# Altium PCB Stm32_pcb.PcbDoc
Units mm, origin at the board's own origin, x right, y up, seen from the top; angles counter-clockwise.
Board outline 58.6 x 34.6 mm, 2 copper layers (Top Layer, Bottom Layer); 36 components, 51 nets, 172 pads, 27 vias.
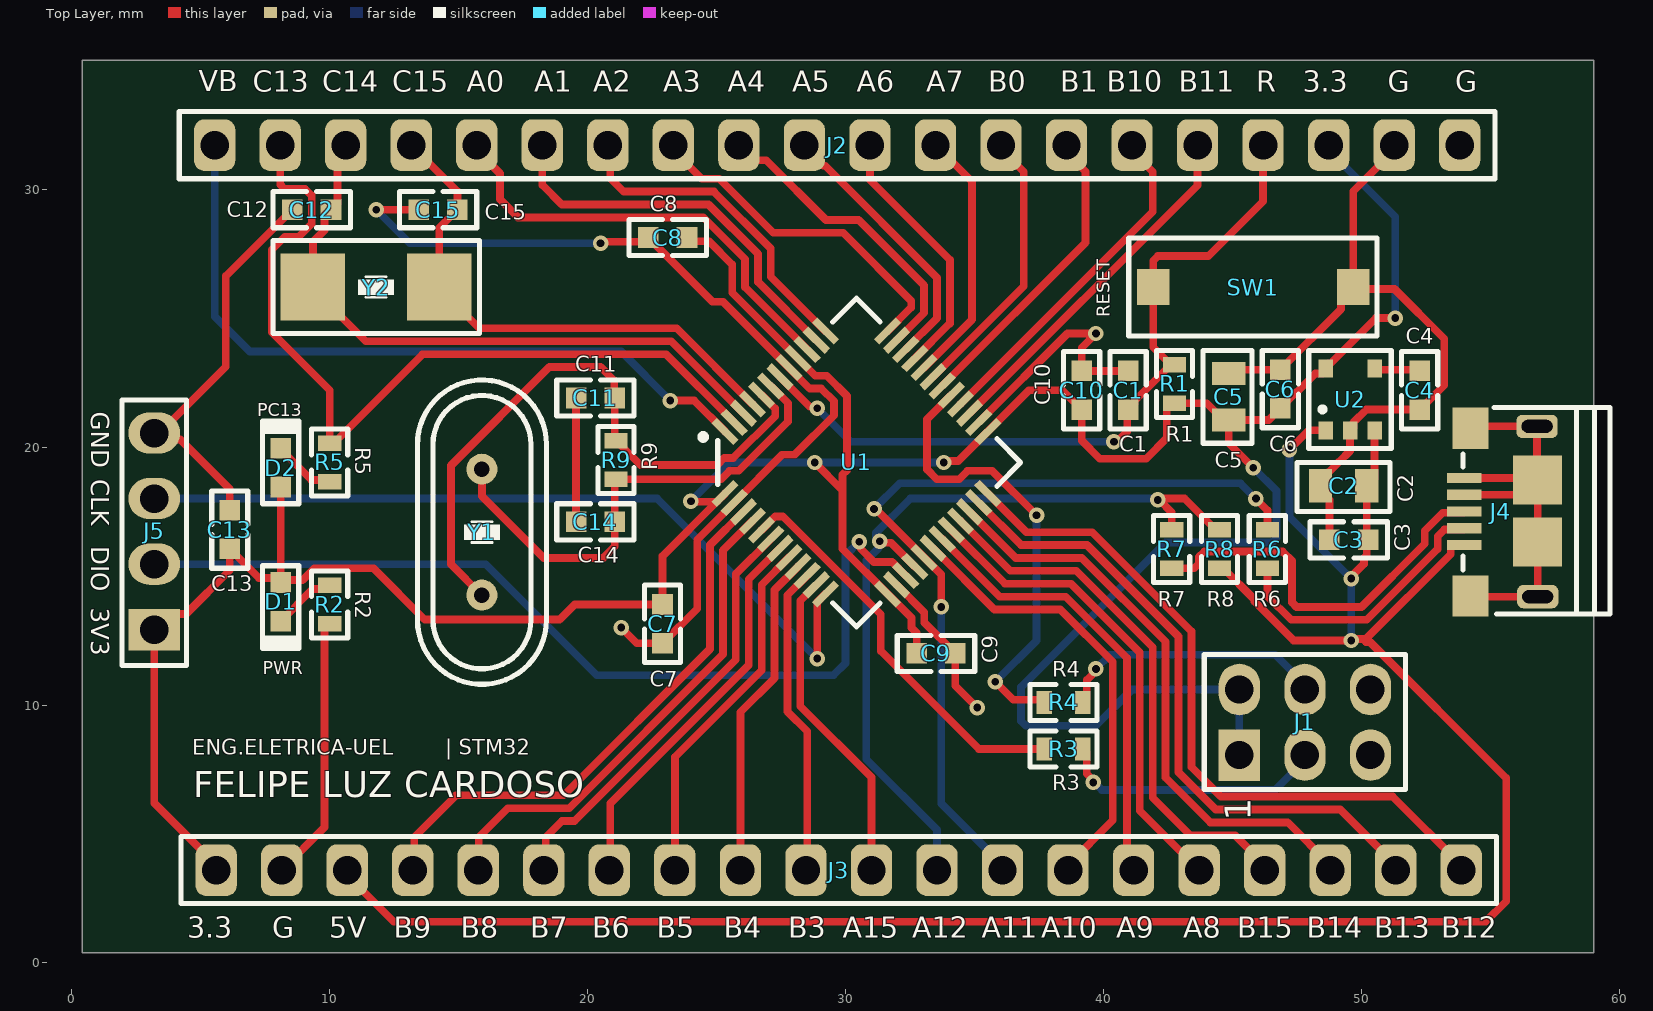
[diagram p0: Top Layer view]
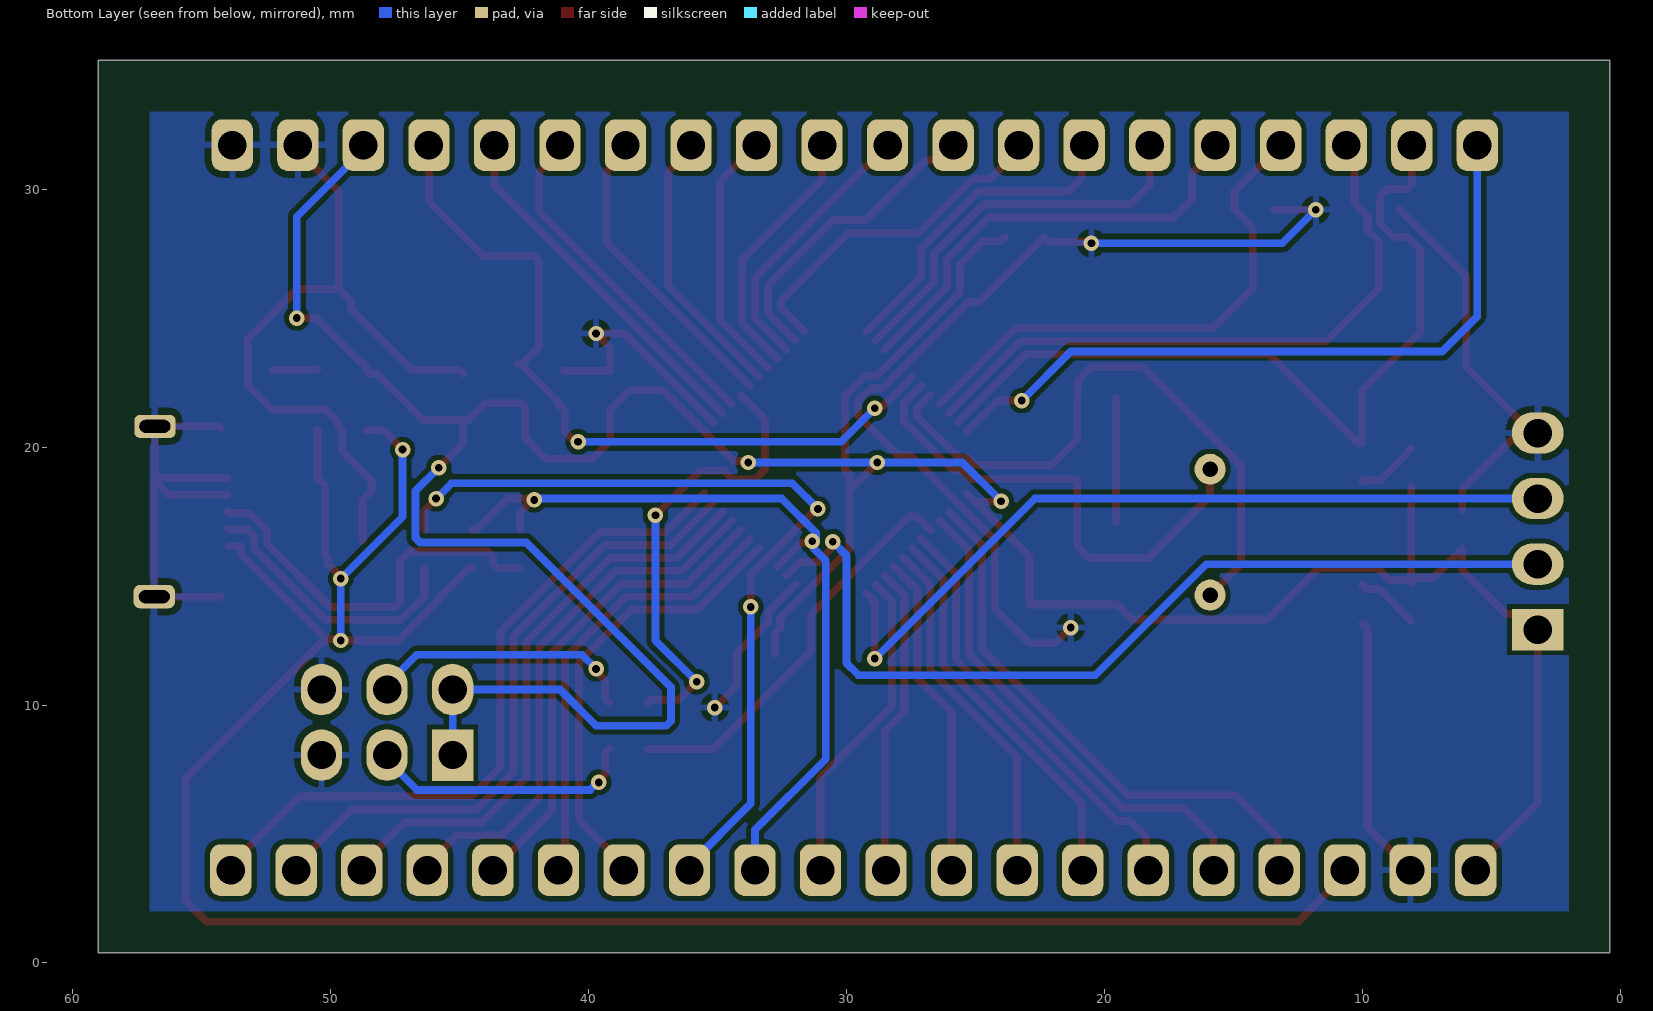
[diagram p1: Bottom Layer view, seen from below]
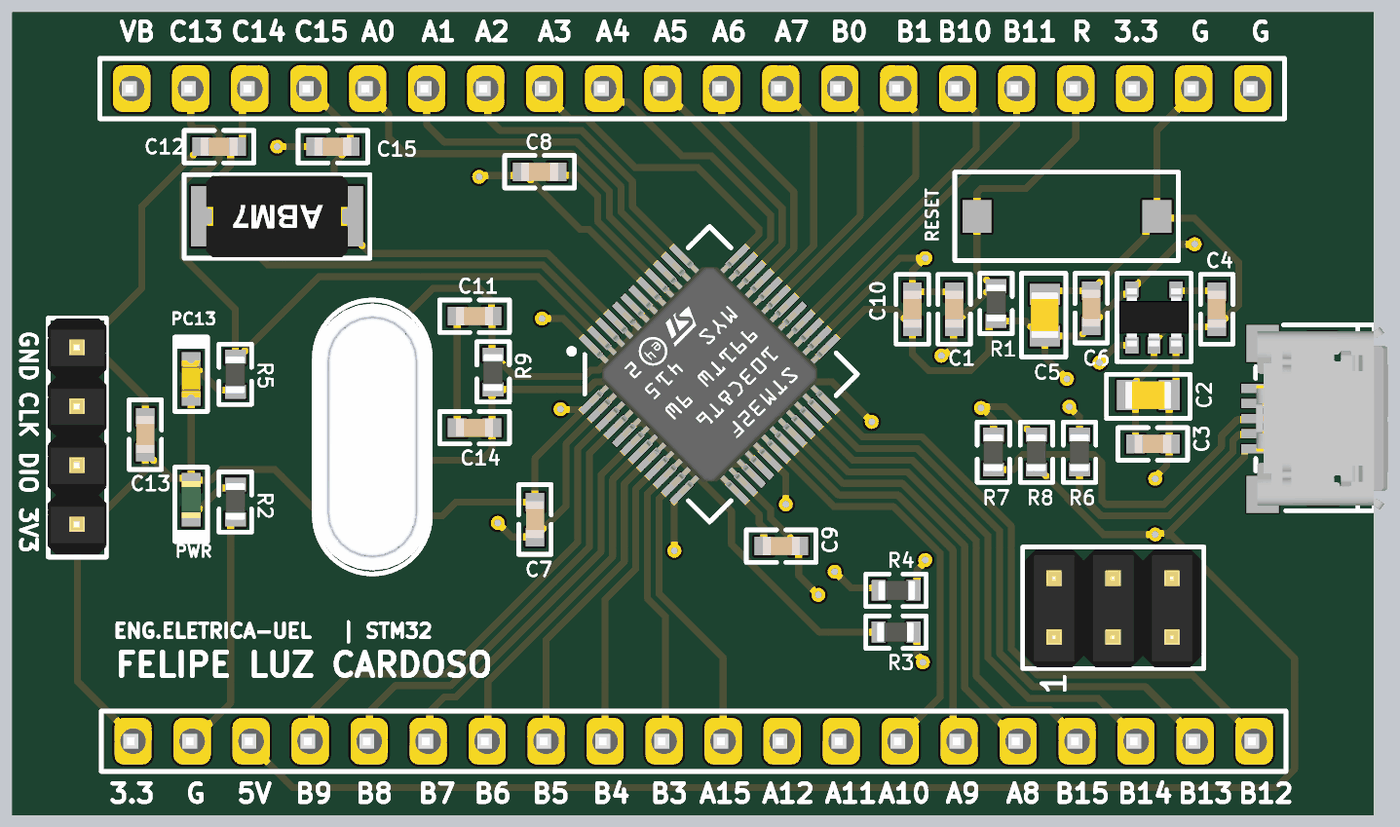
[diagram p2: 3D render of the assembled board from above, using the file's embedded part models]

## Layer stack, top to bottom
Top Solder: solder mask 0.0102, Solder Resist, Dk 3.5
Top Layer: signal copper 0.0356
Dielectric 1: dielectric 0.32, FR-4, Dk 4.8
Bottom Layer: signal copper 0.0356
Bottom Solder: solder mask 0.0102, Solder Resist, Dk 3.5

## Board outline
0.4,0.4 59,0.4 59,35 0.4,35

## Design rules (kind name [scope] priority, off if disabled: settings)
Clearance [All] p1: gap=0.2 ignorepadtopadclearanceinfootprint=FALSE
ComponentClearance [All] p1: gap=0.2 collisioncheckmode=3 verticalgap=0.2 showdistances=FALSE
HoleSize [All] p1: absolutevalues=TRUE maxlimit=10 minlimit=0.2 maxpercent=80.000 minpercent=20.000
HoleToHoleClearance [All] p1: gap=0.3 allowstackedmicrovias=TRUE
MinimumSolderMaskSliver [All] p1: minsoldermaskwidth=0.1
PolygonConnect [All] p1: connectstyle=Relief reliefconductorwidth=0.254 reliefentries=4 polygonreliefangle="90 Angle" airgapwidth=0.254
RoutingVias [All] p1: holewidth=0.3 width=0.6 viastyle="Through Hole" minholewidth=0.3 minwidth=0.6 maxholewidth=0.3 maxwidth=0.6
SilkToSilkClearance [All] p1: silktosilkclearance=0.1
SilkToSolderMaskClearance [IsPad] p1: minsilkscreentomaskgap=0.1 clearancetoexposedcopper=TRUE
SolderMaskExpansion [All] p1: expansion=0.1 istentingtop=FALSE
Width [All] p1: maxlimit=0.3 minlimit=0.3 preferedwidth=0.3
24 further rules are at their usual default settings.

## Components (designator, comment, footprint, x,y, rotation, side; value= is the part's Value field where it differs from the comment)
C1 "100nF" CP-0603 40.948,22.2 r270 top
C2 "10uf / 16V" CP_0805 49.3,18.5 r0 top
C3 "100nF" CP-0603 49.5,16.4 r0 top
C4 "100nF" CP-0603 52.25,22.2 r90 top
C5 "10uf / 16V" CP_0805 44.849,21.946 r270 top
C6 "100nF" CP-0603 46.849,22.246 r270 top
C7 "100nF" CP-0603 22.9,13.145 r90 top
C8 "100nF" CP-0603 23.1,28.12 r0 top
C9 "100nF" CP-0603 33.5,12 r180 top
C10 "100nF" CP-0603 39.148,22.2 r270 top
C11 "20pF" CP-0603 20.3,21.9 r0 top
C12 "20pF" CP-0603 9.3,29.2 r0 top
C13 "100nF" CP-0603 6.126,16.8 r270 top
C14 "20pF" CP-0603 20.3,17.1 r0 top
C15 "20pF" CP-0603 14.2,29.2 r0 top
D1 "PWR" LED_Green 8.1,14 r90 top locked
D2 "PC13" LED_Orange 8.1,19.2 r270 top locked
J1 "HDR_2x3_2,54mm" "Header Male 2x3 2,54mm" 45.26,8.06 r90 top
J2 "HDR_1x20_2,54mm" HDR_1X20_2,54MM 5.54,31.7 r90 top locked
J3 "HDR_1x20_2,54mm" HDR2_1X20_2,54MM 5.6,3.6 r90 top locked
J4 "10118193-0001LF" MICRO-USB 55.4,17.5 r90 top locked
J5 "SWD" "HDR_M 1x4 2.54mm" 3.2,12.92 r180 top
R1 "10K" R-0603 42.749,22.446 r270 top
R2 "510r" R-0603 10,13.9 r270 top
R3 "100K" R-0603 38.446,8.298 r0 top
R4 "100K" R-0603 38.446,10.098 r180 top
R5 "510r" R-0603 10,19.4 r90 top
R6 "20r" R-0603 46.346,16.046 r90 top
R7 "20r" R-0603 42.637,16.046 r90 top
R8 "1,5k" R-0603 44.491,16.046 r90 top
R9 "1M" R-0603 21.1,19.5 r90 top
SW1 "RESET" "Push Button" 45.8,26.2 r180 top
U1 "STM32F103C8T6" STM32F1 30.417,19.4 r315 top locked
U2 "RT9193-33GB" SOT_23_5 49.549,21.846 r90 top
Y1 "8Mhz" CK_8Mhz 15.9,16.7 r270 top locked
Y2 "32.768Khz" CK_32.768KHZ 11.8,26.2 r180 top

## Footprints (in the part's own frame and the unit in brackets; to place one, negate y for a bottom-side part, rotate by r counter-clockwise, add the part's x,y. Pads: shape width x height; smd on the part's side, far side on the other; paste and mask are expansions set on the pad)
CK_8Mhz [mm]
  round 1.2 hole 0.6: 1(-2.44,0) 2(2.44,0)
  silkscreen extent -5.9,-2.5 5.9,2.5, body extent -5.75,-2.5 5.75,2.5, height 3.51
CK_32.768KHZ [mm]
  rect 2.5x2.6 smd: 1(-2.45,0) 2(2.45,0)
  silkscreen extent -4,-1.8 4,1.8, body extent -3.05,-1.75 3.05,1.75, height 1.45
CP-0603 [mm]
  rect 0.8x0.8 smd: 1(-0.75,0) 2(0.75,0)
  silkscreen extent -1.5,-0.7 1.5,0.7, body extent -0.8,-0.4 0.8,0.4, height 0.81
CP_0805 [mm]
  rect 0.9x1.3 smd: 1(-0.9,0) 2(0.9,0)
  silkscreen extent -1.8,-1 1.8,0.9, body extent -1,-0.6 1,0.6, height 0.96
HDR2_1X20_2,54MM [mm]
  rrect50% 2x1.6 hole 1.1: 1(0,0) 2(0,-2.54) 3(0,-5.08) 4(0,-7.62) 5(0,-10.16) 6(0,-12.7) 7(0,-15.24) 8(0,-17.78) 9(0,-20.32) 10(0,-22.86) 11(0,-25.4) 12(0,-27.94) 13(0,-30.48) 14(0,-33.02) 15(0,-35.56) 16(0,-38.1) 17(0,-40.64) 18(0,-43.18) 19(0,-45.72) 20(0,-48.26)
  silkscreen extent -1.3,-49.63 1.3,1.37, body extent -1.27,-49.43 1.27,1.37, height 5.7
HDR_1X20_2,54MM [mm]
  rrect50% 2x1.6 hole 1.1: 1(0,0) 2(0,-2.54) 3(0,-5.08) 4(0,-7.62) 5(0,-10.16) 6(0,-12.7) 7(0,-15.24) 8(0,-17.78) 9(0,-20.32) 10(0,-22.86) 11(0,-25.4) 12(0,-27.94) 13(0,-30.48) 14(0,-33.02) 15(0,-35.56) 16(0,-38.1) 17(0,-40.64) 18(0,-43.18) 19(0,-45.72) 20(0,-48.26)
  silkscreen extent -1.3,-49.63 1.3,1.37, body extent -1.27,-49.43 1.27,1.37, height 5.7
"HDR_M 1x4 2.54mm" [mm]
  rect 2x1.6 hole 1.1: 1(0,0)
  oval 2x1.6 hole 1.1: 2(0,-2.54) 3(0,-5.08) 4(0,-7.62)
  silkscreen extent -1.25,-8.9 1.25,1.39, body extent -1.27,-8.89 1.27,1.27, height 9.21
"Header Male 2x3 2,54mm" [mm]
  rect 2x1.6 hole 1.1: 1(0,0)
  oval 2x1.6 hole 1.1: 2(2.54,0) 3(0,-2.54) 4(2.54,-2.54) 5(0,-5.08) 6(2.54,-5.08)
  silkscreen extent -1.33,-6.44 3.9,1.36, body extent -1.27,-6.35 3.81,1.27, height 9.21
LED_Green [mm]
  rect 0.8x0.8 smd: 1(-0.75,0) 2(0.75,0)
  silkscreen extent -1.8,-0.8 1.4,0.8, body extent -0.8,-0.4 0.8,0.4, height 0.4
LED_Orange [mm]
  rect 0.8x0.8 smd: 1(-0.75,0) 2(0.75,0)
  silkscreen extent -1.8,-0.8 1.4,0.8, body extent -0.8,-0.4 0.8,0.4, height 0.71
MICRO-USB [mm]
  rect 0.4x1.35 smd mask+0.05: 1(-1.3,1.425) 2(-0.65,1.425) 3(0,1.425) 4(0.65,1.425) 5(1.3,1.425)
  rect 1.6x1.4 smd mask+0.05: 6(-3.275,1.175) 7(3.225,1.175)
  rrect50% 0.9x1.6 hole 0.5 slot 1.2 at 90 deg mask+0.05: 8(-3.3,-1.425) 9(3.3,-1.4)
  rect 1.9x1.9 smd mask+0.05: 10(-1.175,-1.425) 11(1.225,-1.425)
  silkscreen extent -3.97,-4.22 4.03,1.48, body extent -3.93,-4.21 3.93,1.45, height 2.87
"Push Button" [mm]
  rect 1.25x1.4 smd: 1(-3.875,0) 2(3.875,0)
  silkscreen extent -4.8,-1.9 4.83,1.9, body extent -3.99,-1.9 4.01,1.8, height 2.51
R-0603 [mm]
  rect 0.6x0.9 smd: 1(-0.75,0) 2(0.75,0)
  silkscreen extent -1.3,-0.7 1.3,0.7, body extent -0.83,-0.42 0.77,0.43, height 0.81
SOT_23_5 [mm]
  rect 0.7x0.56 smd: 1(-1.2,0.95) 2(-1.2,0) 3(-1.2,-0.95) 4(1.2,-0.95) 5(1.2,0.95)
  silkscreen extent -1.9,-1.6 1.9,1.6, body extent -1.25,-1.5 1.25,1.5, height 1.11
STM32F1 [mm]
  rect 1.2x0.3 smd mask+0.03: 1(-4.45,-2.75) 2(-4.45,-2.25) 3(-4.45,-1.75) 4(-4.45,-1.25) 5(-4.45,-0.75) 6(-4.45,-0.25) 7(-4.45,0.25) 8(-4.45,0.75) 9(-4.45,1.25) 10(-4.45,1.75) 11(-4.45,2.25) 12(-4.45,2.75) 25(4.45,2.75) 26(4.45,2.25) 27(4.45,1.75) 28(4.45,1.25) 29(4.45,0.75) 30(4.45,0.25) 31(4.45,-0.25) 32(4.45,-0.75) 33(4.45,-1.25) 34(4.45,-1.75) 35(4.45,-2.25) 36(4.45,-2.75)
  rect 0.3x1.2 smd mask+0.03: 13(-2.75,4.45) 14(-2.25,4.45) 15(-1.75,4.45) 16(-1.25,4.45) 17(-0.75,4.45) 18(-0.25,4.45) 19(0.25,4.45) 20(0.75,4.45) 21(1.25,4.45) 22(1.75,4.45) 23(2.25,4.45) 24(2.75,4.45) 37(2.75,-4.45) 38(2.25,-4.45) 39(1.75,-4.45) 40(1.25,-4.45) 41(0.75,-4.45) 42(0.25,-4.45) 43(-0.25,-4.45) 44(-0.75,-4.45) 45(-1.25,-4.45) 46(-1.75,-4.45) 47(-2.25,-4.45) 48(-2.75,-4.45)
  silkscreen extent -5,-4.5 4.5,4.5, body extent -4.5,-4.5 4.5,4.5, height 1.56

## Part data
C1 C3 C4 C6 C7 C8 C9 C10 C13: library part C-0603_100nF, "Multilayer Ceramic Capacitors (MLCC) - SMD/SMT 50volts 0.1uF X7R 10%", Case Code (Imperial)=0603, Case Code (Metric)=1608, Dielectric=X7R, Dielectric Material=Ceramic, Manufacturer=KEMET, Manufacturer Part Number=C0603C104K5RACTU, Max Operating Temperature=125°C, Min Operating Temperature=-55°C, Package Quantity=1, Supplier Part Number 1=399-C0603C104K5RAC7867CT-ND, Tolerance=10%, Voltage=50V, Capacitance=100nF, Case/Package=0603, Category="Ceramic Capacitors", Contact Plating=Tin,Matte, Depth=0.8mm, Dissipation Factor=2.5%, Height=0.8mm, Lead Pitch=0.7mm, Length=0.063inch, Mount="Surface Mount", Number of Pins=2, Packaging="Tape and Reel", Pricing 1="1=0,11000, 10=0,08100, 50=0,04400, 100=0,03600, 500=0,02572, 1000=0,02021 (USD)", Radiation Hardening=No, REACH SVHC="No SVHC", RoHS=Yes, RoHS Compliant=Yes, Series="SMD Comm X7R", Stock 1=8270795, Supplier 1=Digi-Key, Termination=SMD/SMT, Thickness=0.034inch, Voltage Rating=50V, Voltage Rating (DC)=50V, Width=0.031inch
C2 C5: library part "C-0805 10uF / 16V", "TDK - C2012X5R1C106M085AC - SMD Multilayer Ceramic Capacitor, 10 µF, 16 V, 0805 [2012 Metric], ± 20%, X5R, C Series TDK", Capacitance=10uF, Case Code (Imperial)=0805, Case Code (Metric)=2012, Dielectric=X5R, Dielectric Material=Ceramic, Manufacturer=TDK, Manufacturer Part Number=C2012X5R1C106M085AC, Max Operating Temperature=85°C, Min Operating Temperature=-55°C, Package Quantity=4000, Supplier Part Number 1=445-7645-1-ND, Tolerance=20%, Voltage=16V, Case/Package=0805, Category="Ceramic Capacitors", ComponentLink1Description=https://datasheet.ciiva.com/24218/c2012x5r1c106m085ac-265002-24218340.pdf?src-supplier=Mouser, ComponentLink1URL=https://datasheet.ciiva.com/24218/c2012x5r1c106m085ac-265002-24218340.pdf?src-supplier=Mouser, ComponentLink2Description=https://datasheet.ciiva.com/11788/0900766b80c1bb00-11788108.pdf?src-supplier=RSComponents, ComponentLink2URL=https://datasheet.ciiva.com/11788/0900766b80c1bb00-11788108.pdf?src-supplier=RSComponents, ComponentLink3Description=https://datasheet.ciiva.com/6290/tdkmlcccaprange-6290487.pdf?src-supplier=Digi-Key, ComponentLink3URL=https://datasheet.ciiva.com/6290/tdkmlcccaprange-6290487.pdf?src-supplier=Digi-Key, ComponentLink4Description=https://datasheet.ciiva.com/6290/tdkmlcccaprange-6290485.pdf?src-supplier=Digi-Key, ComponentLink4URL=https://datasheet.ciiva.com/6290/tdkmlcccaprange-6290485.pdf?src-supplier=Digi-Key, ComponentLink5Description=https://datasheet.ciiva.com/16449/e412-c-16449591.pdf?src-supplier=Future+Electronics, ComponentLink5URL=https://datasheet.ciiva.com/16449/e412-c-16449591.pdf?src-supplier=Future+Electronics, ComponentLink6Description=https://datasheet.ciiva.com/22725/1913358-22725557.pdf?src-supplier=Element14, ComponentLink6URL=https://datasheet.ciiva.com/22725/1913358-22725557.pdf?src-supplier=Element14, ComponentLink7Description=https://datasheet.ciiva.com/23803/1796654-23803021.pdf?src-supplier=Newark, ComponentLink7URL=https://datasheet.ciiva.com/23803/1796654-23803021.pdf?src-supplier=Newark, Construction=Flat, Depth=1.25mm, Height=0.85mm, Lead Free="Lead Free", Length=2mm, Mount="Surface Mount", Number of Pins=2, Packaging="Tape and Reel", Pricing 1="1=0,28000, 10=0,19000, 50=0,11380, 100=0,09610, 500=0,06578, 1000=0,05819 (USD)", REACH SVHC="No SVHC", Resistor Type=Ceramic, RoHS=Yes, Series=C, Stock 1=520514, Supplier 1=Digi-Key, Termination=SMD/SMT, Thickness=0.037inch, Voltage Rating=16V, Voltage Rating (DC)=16V, Weight=0.000194oz, Width=0.049inch
C11 C12 C14 C15: library part C-0603_20pF, "Cap Ceramic 20pF 50V C0G 2% SMD 0603 125°C Paper T/R", Case/Package=0603, Dielectric=C0G, Dielectric Material=Ceramic, Manufacturer=KEMET, Manufacturer Part Number=C0603C200G5GAC7867, Max Operating Temperature=125°C, Min Operating Temperature=-55°C, Supplier Part Number 1=399-14497-1-ND, Tolerance=2%, Voltage Rating (DC)=50V, Capacitance=20pF, Category="Ceramic Capacitors", ComponentLink1Description=https://api.kemet.com/component-edge/download/datasheet/C0603C200G5GACTU.pdf?src-supplier=Digi-Key, ComponentLink1URL=https://api.kemet.com/component-edge/download/datasheet/C0603C200G5GACTU.pdf?src-supplier=Digi-Key, ComponentLink2Description=http://capacitoredge.kemet.com/capedge2/DataSheet?pn=C0603C200G5GAC7867, ComponentLink2URL=http://capacitoredge.kemet.com/capedge2/DataSheet?pn=C0603C200G5GAC7867, Depth=0.8mm, Height=0.8mm, Lead Free="Lead Free", Length=1.6mm, Mount="Surface Mount", Pricing 1="1=0,68000, 10=0,47800, 50=0,36140, 100=0,31470, 500=0,23310, 1000=0,19814 (USD)", Radiation Hardening=No, RoHS=Yes, Stock 1=1306, Supplier 1=Digi-Key
D1: library part LED_Green, "LED Uni-Color Green 2-Pin Chip 0603(1608Metric) T/R", Case Code (Imperial)=0603, Case Code (Metric)=1608, Color=Green, Forward Current=20mA, Forward Voltage=2V, Lens Color=White, Manufacturer="Osram Opto", Manufacturer Part Number="LG Q396-PS-35", Supplier Part Number 1=LGQ396-PS-35-ND, Case/Package=0603, Category=LEDs, ComponentLink1Description=http://www.farnell.com/datasheets/2057314.pdf?src-supplier=Farnell, ComponentLink1URL=http://www.farnell.com/datasheets/2057314.pdf?src-supplier=Farnell, ComponentLink2Description=http://www.farnell.com/datasheets/2057314.pdf?src-supplier=Element14, ComponentLink2URL=http://www.farnell.com/datasheets/2057314.pdf?src-supplier=Element14, ComponentLink3Description=https://dammedia.osram.info/media/resource/hires/osram-dam-2493948/LG%20Q396.pdf?src-supplier=Digi-Key, ComponentLink3URL=https://dammedia.osram.info/media/resource/hires/osram-dam-2493948/LG%20Q396.pdf?src-supplier=Digi-Key, ComponentLink4Description=http://www.farnell.com/datasheets/2057314.pdf?src-supplier=Newark, ComponentLink4URL=http://www.farnell.com/datasheets/2057314.pdf?src-supplier=Newark, ComponentLink5Description=http://www.osram-os.com/Graphics/XPic6/00153197_0.pdf?src-supplier=Digi-Key, ComponentLink5URL=http://www.osram-os.com/Graphics/XPic6/00153197_0.pdf?src-supplier=Digi-Key, Dominant Wavelength=573nm, Height=0.4mm, Length=1.6mm, Lens Size=0.8mm, Lens Style=Flat,Rectangular, Lens Transparency=Diffused, Luminous Intensity=163mcd, Mount="Surface Mount", Packaging="Tape and Reel", REACH SVHC="No SVHC", RoHS=Yes, RoHS Compliant=Yes, Supplier 1=Digi-Key, Test Current=20mA, Viewing Angle=120°, Wavelength=573nm, Width=0.8mm
D2: library part LED_Orange, "Smartled Orange Lc", Case Code (Imperial)=0603, Case Code (Metric)=1608, Color=Orange, Forward Current=20mA, Forward Voltage=2.2V, Lens Color=White, Manufacturer="Osram Opto", Manufacturer Part Number=LOL29K-H2K1-24-Z, Max Operating Temperature=100°C, Min Operating Temperature=-40°C, Package Quantity=5000, Reverse Voltage=12V, Supplier Part Number 1="LO L29K-H2K1-24-Z", Test Current=2mA, Case/Package=0603, Category=Uncategorized, ComponentLink1Description=https://datasheet.ciiva.com/2112/00077105-0-2112905.pdf?src-supplier=Digi-Key, ComponentLink1URL=https://datasheet.ciiva.com/2112/00077105-0-2112905.pdf?src-supplier=Digi-Key, ComponentLink2Description=https://datasheet.ciiva.com/2112/00077105-0-2112904.pdf?src-supplier=Digi-Key, ComponentLink2URL=https://datasheet.ciiva.com/2112/00077105-0-2112904.pdf?src-supplier=Digi-Key, ComponentLink3Description=https://datasheet.ciiva.com/2112/00077105-0-2112906.pdf?src-supplier=Digi-Key, ComponentLink3URL=https://datasheet.ciiva.com/2112/00077105-0-2112906.pdf?src-supplier=Digi-Key, ComponentLink4Description=https://datasheet.ciiva.com/15198/getdatasheetpartid-693885-15198412.pdf?src-supplier=Verical, ComponentLink4URL=https://datasheet.ciiva.com/15198/getdatasheetpartid-693885-15198412.pdf?src-supplier=Verical, Depth=0.8mm, Dominant Wavelength=606nm, Height=0.65mm, Illumination Color=Orange, Length=1.3mm, Lens Size=0.8mm, Lens Style=Flat,Diffused,Colorless,Rectangular, Lens Transparency=Diffused, Luminous Flux=0.025lm, Luminous Intensity=9mcd, Mount="Surface Mount", Number of Elements=1, Number of LEDs=1, Number of Pins=2, Packaging="Tape and Reel", Radiation Hardening=No, RoHS=Yes, RoHS Compliant=Yes, Series=SmartLED, Supplier 1="Arrow Electronics", Viewing Angle=160°, Width=0.8mm
J1: "2.54mm (0.1\") Pitch DIL Vertical PC Tail Pin Header, 8.5mm mating pin height, tin, 3+3 contacts", Color=Black, Contact Resistance=30mR, Current Rating=3A, Insulation Resistance=10GR, Manufacturer=Harwin, Manufacturer Part Number=M20-9970346, Max Operating Temperature=105°C, Min Operating Temperature=-40°C, Package Quantity=1000, Supplier Part Number 1=952-3290-ND, Category="Headers and Wire Housings", ComponentLink1Description=https://datasheet.ciiva.com/5162/m20-997-351477-5162774.pdf?src-supplier=Mouser, ComponentLink1URL=https://datasheet.ciiva.com/5162/m20-997-351477-5162774.pdf?src-supplier=Mouser, ComponentLink2Description=https://datasheet.ciiva.com/11747/0900766b80da602a-11747466.pdf?src-supplier=RSComponents, ComponentLink2URL=https://datasheet.ciiva.com/11747/0900766b80da602a-11747466.pdf?src-supplier=RSComponents, Connector Type="Male Pin", Contact Material=Brass,Bronze, Contact Mating Length=0.335inch, Contact Plating=Tin, Contact Type="Male Pin", Depth=5.08mm, Housing Color=Black, Housing Material=Nylon, Length=7.62mm, Max Current Rating=3A, Mount="Through Hole", Number of Contacts=6, Number of Positions=6, Number of Rows=2, Orientation=Straight, Packaging=Bulk, Pitch=2.54mm, Pricing 1="1=0,44000, 10=0,37400, 100=0,29070, 500=0,24916, 1000=0,20764, 5000=0,17798, 10000=0,16611 (USD)", REACH SVHC="No SVHC", RoHS=Yes, Row Spacing=0.1inch, Series=M20, Stock 1=1303, Supplier 1=Digi-Key, Termination=Solder
J2: library part HDR_1x20_p1, "2.54mm (0.1\") Pitch SIL Vertical PC Tail Pin Header, 6.1mm mating pin height, tin, 20 contacts", Case/Package=SIL, Color=Black, Contact Resistance=30mR, Current Rating=3A, Insulation Resistance=10GR, Manufacturer=Harwin, Manufacturer Part Number=M20-9992046, Max Operating Temperature=105°C, Min Operating Temperature=-40°C, Package Quantity=200, Supplier Part Number 1=952-1902-ND, Category="Headers and Wire Housings", ComponentLink1Description=https://datasheet.ciiva.com/11746/0900766b80da602d-11746823.pdf?src-supplier=RSComponents, ComponentLink1URL=https://datasheet.ciiva.com/11746/0900766b80da602d-11746823.pdf?src-supplier=RSComponents, ComponentLink2Description=https://datasheet.ciiva.com/9480/m20-999-9480261.pdf?src-supplier=Avnet, ComponentLink2URL=https://datasheet.ciiva.com/9480/m20-999-9480261.pdf?src-supplier=Avnet, ComponentLink3Description=https://datasheet.ciiva.com/5162/m20-999-351179-5162878.pdf?src-supplier=Mouser, ComponentLink3URL=https://datasheet.ciiva.com/5162/m20-999-351179-5162878.pdf?src-supplier=Mouser, ComponentLink4Description=https://datasheet.ciiva.com/6814/m20-999-6814908.pdf?src-supplier=Digi-Key, ComponentLink4URL=https://datasheet.ciiva.com/6814/m20-999-6814908.pdf?src-supplier=Digi-Key, ComponentLink5Description=https://datasheet.ciiva.com/8046/315376-8046943.pdf?src-supplier=Element14, ComponentLink5URL=https://datasheet.ciiva.com/8046/315376-8046943.pdf?src-supplier=Element14, Connector Type="Male Pin", Contact Material=Brass,Bronze, Contact Mating Length=0.24inch, Contact Plating=Tin, Contact Type="Male Pin", Depth=2.54mm, Gender=Male, Housing Color=Black, Housing Material=Nylon, Length=50.8mm, Max Current Rating=3A, Mount="Through Hole", Number of Contacts=20, Number of Positions=20, Number of Rows=1, Orientation=Straight, Packaging=Bulk, Pitch=2.54mm, Pricing 1="1=0,81000, 10=0,70300, 100=0,57960, 500=0,50400, 1000=0,41580, 5000=0,36540, 10000=0,34020 (USD)", REACH SVHC="No SVHC", RoHS=Yes, RoHS Compliant=Yes, Series=M20, Stock 1=425, Supplier 1=Digi-Key, Termination=Solder
J3: library part HDR_1x20_p2, "2.54mm (0.1\") Pitch SIL Vertical PC Tail Pin Header, 6.1mm mating pin height, tin, 20 contacts", Case/Package=SIL, Color=Black, Contact Resistance=30mR, Current Rating=3A, Insulation Resistance=10GR, Manufacturer=Harwin, Manufacturer Part Number=M20-9992046, Max Operating Temperature=105°C, Min Operating Temperature=-40°C, Package Quantity=200, Supplier Part Number 1=952-1902-ND, Category="Headers and Wire Housings", ComponentLink1Description=https://datasheet.ciiva.com/11746/0900766b80da602d-11746823.pdf?src-supplier=RSComponents, ComponentLink1URL=https://datasheet.ciiva.com/11746/0900766b80da602d-11746823.pdf?src-supplier=RSComponents, ComponentLink2Description=https://datasheet.ciiva.com/9480/m20-999-9480261.pdf?src-supplier=Avnet, ComponentLink2URL=https://datasheet.ciiva.com/9480/m20-999-9480261.pdf?src-supplier=Avnet, ComponentLink3Description=https://datasheet.ciiva.com/5162/m20-999-351179-5162878.pdf?src-supplier=Mouser, ComponentLink3URL=https://datasheet.ciiva.com/5162/m20-999-351179-5162878.pdf?src-supplier=Mouser, ComponentLink4Description=https://datasheet.ciiva.com/6814/m20-999-6814908.pdf?src-supplier=Digi-Key, ComponentLink4URL=https://datasheet.ciiva.com/6814/m20-999-6814908.pdf?src-supplier=Digi-Key, ComponentLink5Description=https://datasheet.ciiva.com/8046/315376-8046943.pdf?src-supplier=Element14, ComponentLink5URL=https://datasheet.ciiva.com/8046/315376-8046943.pdf?src-supplier=Element14, Connector Type="Male Pin", Contact Material=Brass,Bronze, Contact Mating Length=0.24inch, Contact Plating=Tin, Contact Type="Male Pin", Depth=2.54mm, Gender=Male, Housing Color=Black, Housing Material=Nylon, Length=50.8mm, Max Current Rating=3A, Mount="Through Hole", Number of Contacts=20, Number of Positions=20, Number of Rows=1, Orientation=Straight, Packaging=Bulk, Pitch=2.54mm, Pricing 1="1=0,81000, 10=0,70300, 100=0,57960, 500=0,50400, 1000=0,41580, 5000=0,36540, 10000=0,34020 (USD)", REACH SVHC="No SVHC", RoHS=Yes, RoHS Compliant=Yes, Series=M20, Stock 1=425, Supplier 1=Digi-Key, Termination=Solder
J4: library part Micro-Usb, "FCI Right Angle Surface Mount Mount Female USB Connector; 100 V ac; 1.8A", Manufacturer="Amphenol ICC / FCI", Supplier Part Number 1=67T2259, Category="USB Connectors", ComponentLink1Description=http://uk.rs-online.com/webdocs/1450/0900766b814507f1.pdf?src-supplier=RSComponents, ComponentLink1URL=http://uk.rs-online.com/webdocs/1450/0900766b814507f1.pdf?src-supplier=RSComponents, ComponentLink2Description=http://www.amphenol-icc.com/media/wysiwyg/files/drawing/10118193.pdf?src-supplier=Digi-Key, ComponentLink2URL=http://www.amphenol-icc.com/media/wysiwyg/files/drawing/10118193.pdf?src-supplier=Digi-Key, ComponentLink3Description=https://cdn.amphenol-icc.com/media/wysiwyg/files/documentation/datasheet/inputoutput/io_usb_micro.pdf?src-supplier=Digi-Key, ComponentLink3URL=https://cdn.amphenol-icc.com/media/wysiwyg/files/documentation/datasheet/inputoutput/io_usb_micro.pdf?src-supplier=Digi-Key, ComponentLink4Description=https://cdn.amphenol-icc.com/media/wysiwyg/files/documentation/datasheet/inputoutput/io_usb_micro.pdf?src-supplier=Verical, ComponentLink4URL=https://cdn.amphenol-icc.com/media/wysiwyg/files/documentation/datasheet/inputoutput/io_usb_micro.pdf?src-supplier=Verical, ComponentLink5Description=https://cdn.amphenol-icc.com/media/wysiwyg/files/documentation/datasheet/inputoutput/io_usb_micro.pdf?src-supplier=Onlinecomponents.com, ComponentLink5URL=https://cdn.amphenol-icc.com/media/wysiwyg/files/documentation/datasheet/inputoutput/io_usb_micro.pdf?src-supplier=Onlinecomponents.com, ComponentLink6Description=https://cdn.amphenol-icc.com/media/wysiwyg/files/documentation/datasheet/inputoutput/io_usb_micro.pdf?src-supplier=Allied+Electronics, ComponentLink6URL=https://cdn.amphenol-icc.com/media/wysiwyg/files/documentation/datasheet/inputoutput/io_usb_micro.pdf?src-supplier=Allied+Electronics, ComponentLink7Description=https://cdn.amphenol-icc.com/media/wysiwyg/files/documentation/datasheet/inputoutput/io_usb_micro.pdf?src-supplier=Avnet, ComponentLink7URL=https://cdn.amphenol-icc.com/media/wysiwyg/files/documentation/datasheet/inputoutput/io_usb_micro.pdf?src-supplier=Avnet, ComponentLink8Description=https://cdn.amphenol-icc.com/media/wysiwyg/files/documentation/datasheet/inputoutput/io_usb_micro.pdf?src-supplier=Mouser, ComponentLink8URL=https://cdn.amphenol-icc.com/media/wysiwyg/files/documentation/datasheet/inputoutput/io_usb_micro.pdf?src-supplier=Mouser, ComponentLink9Description=https://cdn.amphenol-icc.com/media/wysiwyg/files/documentation/datasheet/inputoutput/io_usb_micro.pdf?src-supplier=Arrow+Electronics, ComponentLink9URL=https://cdn.amphenol-icc.com/media/wysiwyg/files/documentation/datasheet/inputoutput/io_usb_micro.pdf?src-supplier=Arrow+Electronics, ComponentLink10Description=https://cdn.amphenol-icc.com/media/wysiwyg/files/documentation/datasheet/inputoutput/io_usb_micro.pdf?src-supplier=RSComponents, ComponentLink10URL=https://cdn.amphenol-icc.com/media/wysiwyg/files/documentation/datasheet/inputoutput/io_usb_micro.pdf?src-supplier=RSComponents, ComponentLink11Description=https://cdn.amphenol-icc.com/media/wysiwyg/files/documentation/datasheet/inputoutput/io_usb_micro.pdf?src-supplier=Heilind+Electronics, ComponentLink11URL=https://cdn.amphenol-icc.com/media/wysiwyg/files/documentation/datasheet/inputoutput/io_usb_micro.pdf?src-supplier=Heilind+Electronics, ComponentLink12Description=https://cdn.amphenol-icc.com/media/wysiwyg/files/documentation/datasheet/inputoutput/io_usb_micro.pdf?src-supplier=TTI, ComponentLink12URL=https://cdn.amphenol-icc.com/media/wysiwyg/files/documentation/datasheet/inputoutput/io_usb_micro.pdf?src-supplier=TTI, ComponentLink13Description=https://cdn.amphenol-icc.com/media/wysiwyg/files/documentation/datasheet/inputoutput/io_usb_micro.pdf?src-supplier=TME, ComponentLink13URL=https://cdn.amphenol-icc.com/media/wysiwyg/files/documentation/datasheet/inputoutput/io_usb_micro.pdf?src-supplier=TME, Manufacturer Part Number=10118193-0001LF, Pricing 1="1=0,53800, 25=0,38000, 100=0,36700, 250=0,34300, 500=0,31900 (USD)", RoHS=No, Stock 1=17288, Supplier 1=Avnet